# Altium PCB PFC_Interleaved_V8.1.PcbDoc (part 2 of 3) (continued)
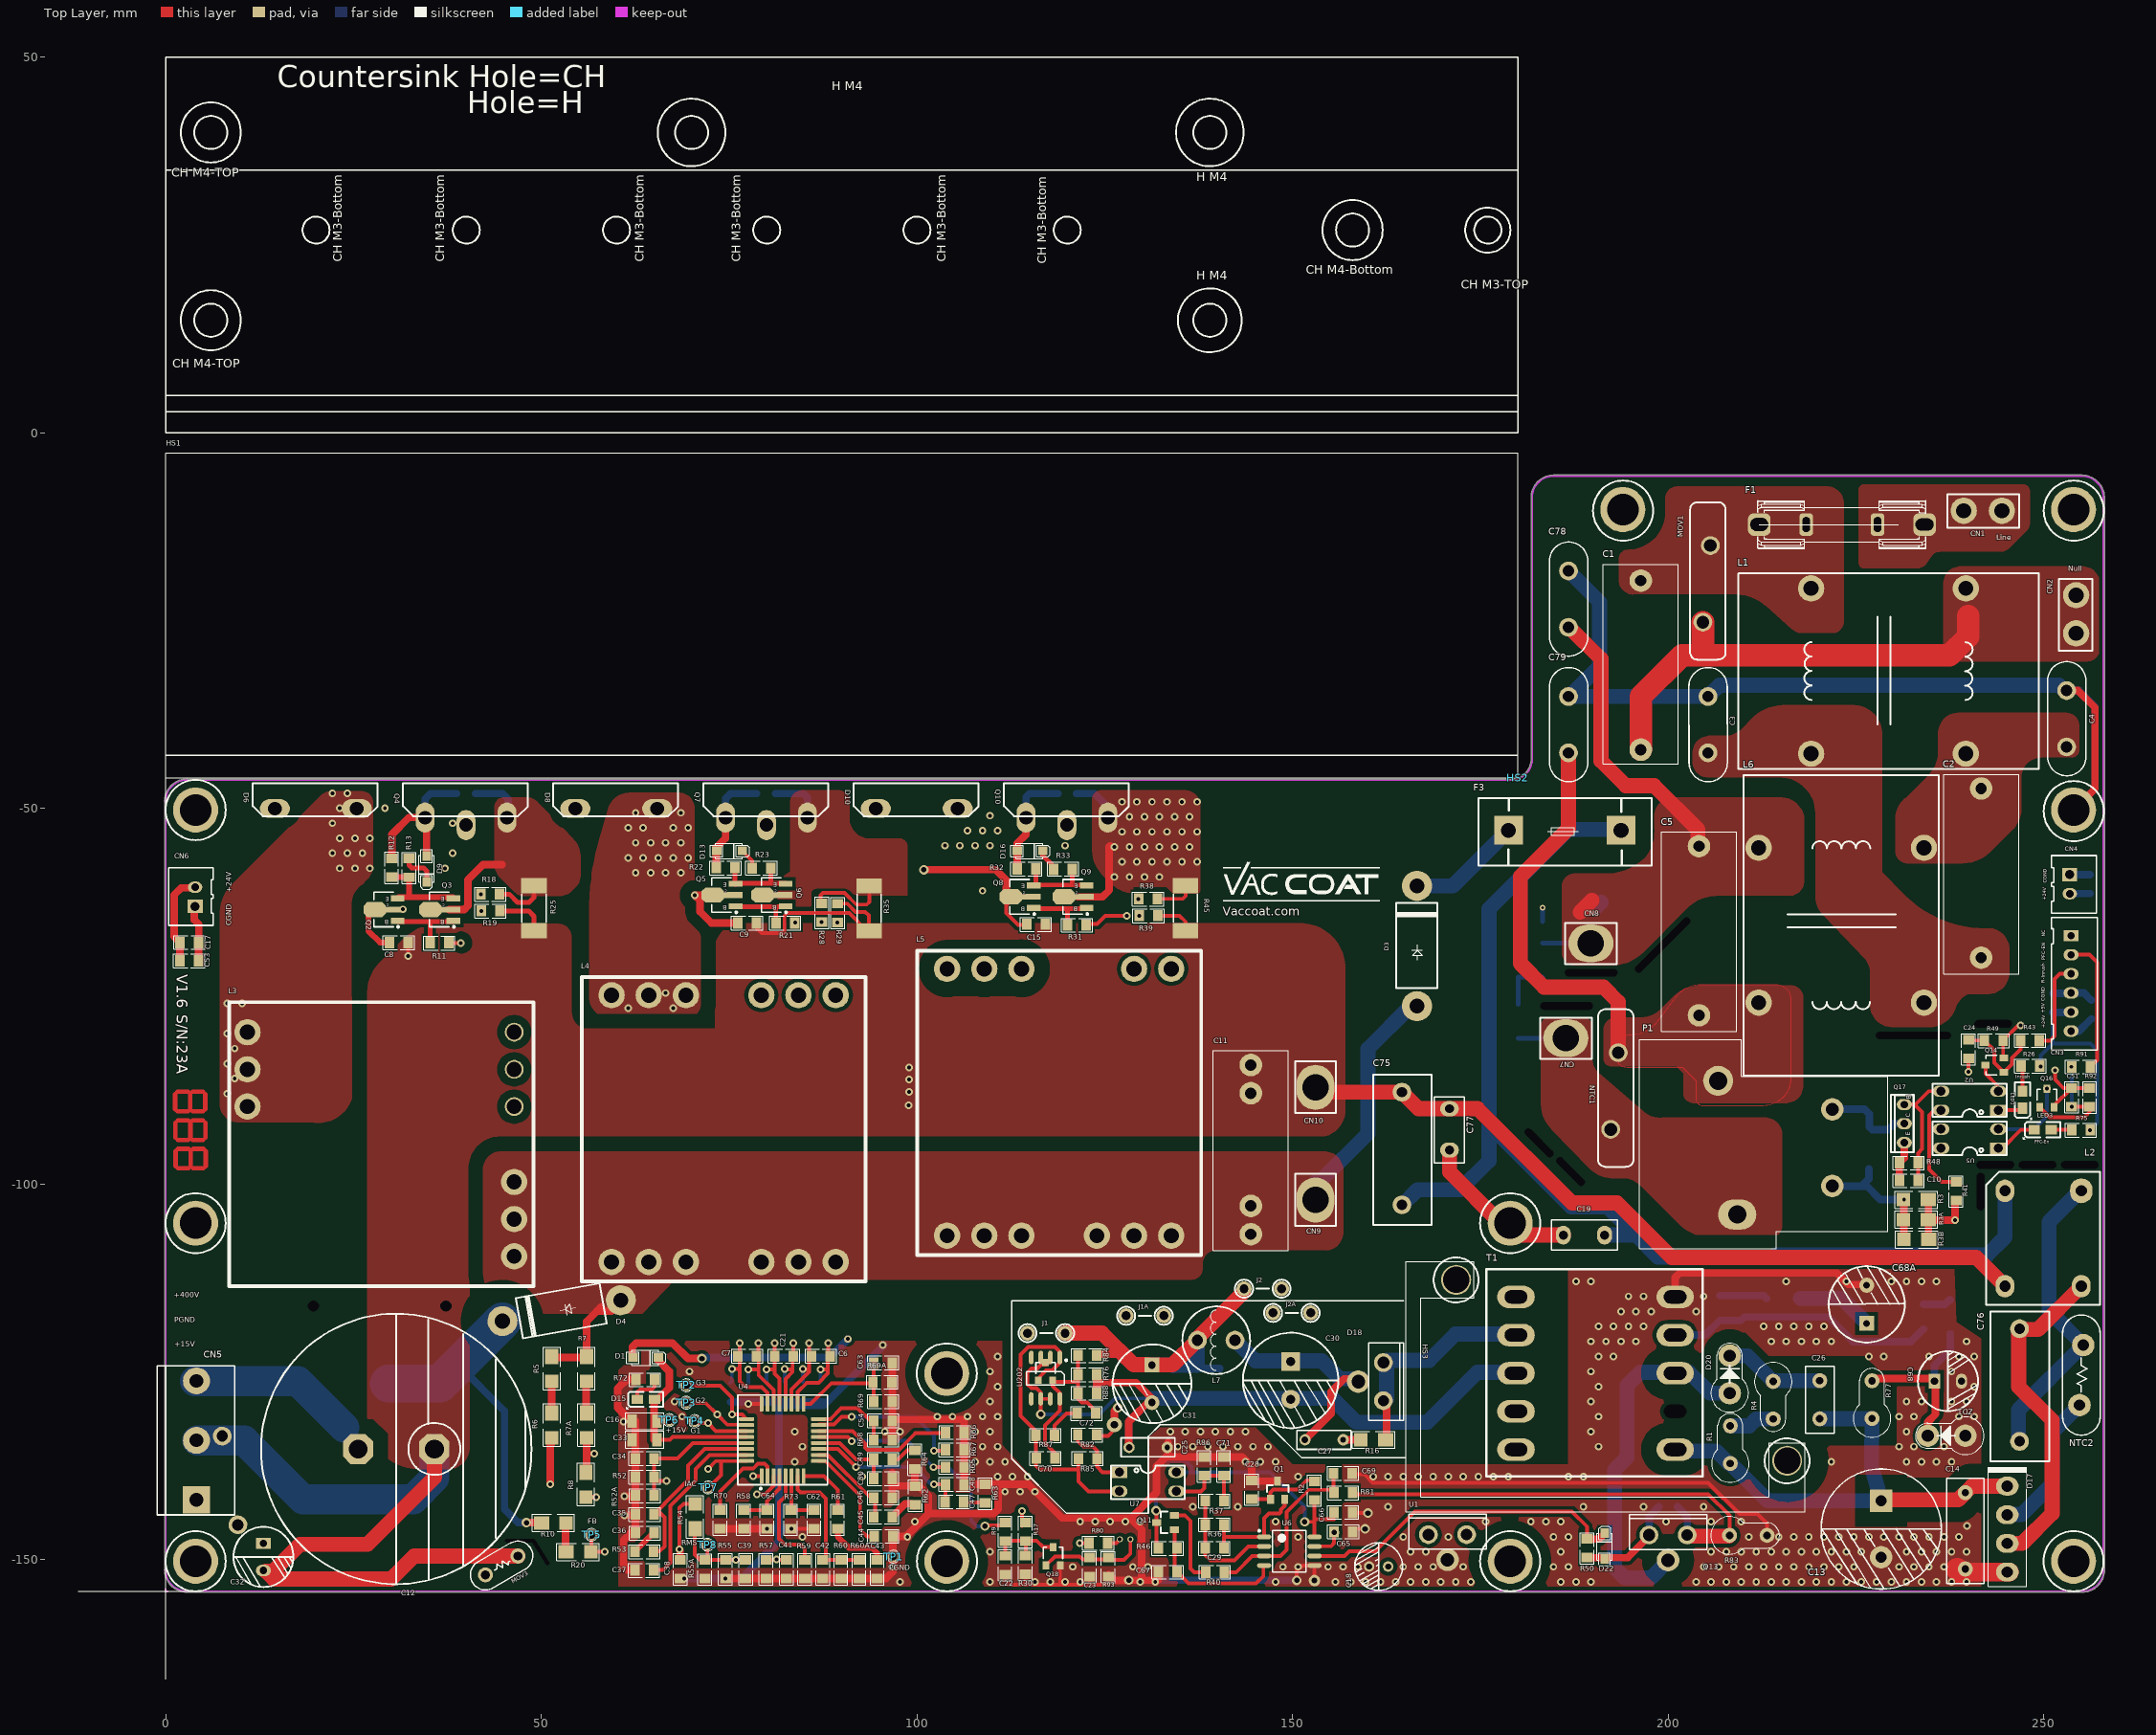
[diagram p0: Top Layer view]
## Nets (pads, with @x,y where several pads share a name; then routed paths per layer and width w, separated by ;. In a path a pad name is that pad's centre, name@x,y a point inside that pad or via, vN(x,y) a via of type N, cw(c..) or ccw(c..) an arc to the next point about the centre after c; other vN are vias at no path point) (continued)
NetD215_1: D215.1 R47A.2 R47B.2 | length 6.3
  Bottom Layer w1: R47B.2@206.908,-114.833 R47A.2@209.702,-114.833 212.71,-114.833 D215.1@213.091,-115.214
NetLED1_1: LED1.1 R26.1 | length 3.4
  Top Layer w0.5: R26.1@246.99,-84.277 247.167,-84.455 LED1.1@247.167,-87.63
NetLED1_2: LED1.2 U2.1 | length 3.3
  Top Layer w0.5: U2.1@243.967,-90.17 246.913,-90.17 LED1.2@247.167,-89.916
NetLED3_1: LED3.1 R75.1 | length 2.7
  Top Layer w0.5: LED3.1@251.028,-92.761 253.695,-92.761 R75.1@253.721,-92.786
NetLED3_2: LED3.2 U5.1 | length 5.8
  Top Layer w0.5: U5.1@243.967,-95.225 244.5,-95.225 246.964,-92.761 LED3.2@248.742,-92.761
NetQ2_1: Q2.1 Q3.1 R12.2 R13.1 | length 12.6
  Top Layer w0.762: R12.2@30.099,-59.131 32.36,-59.131 R13.1@32.385,-59.157 32.385,-61.713 32.283,-61.814 ; Q2.1@30.866,-61.949 31.001,-61.814 32.283,-61.814 ; Q3.1@38.283,-61.949 38.283,-61.814 32.283,-61.814
NetQ2_3: Q2.3 Q3.3 R11.1 | length 10.4
  Top Layer w0.635: Q2.3@30.866,-64.949 30.938,-65.021 35.154,-65.021 ; R11.1@35.179,-67.869 35.179,-65.046 35.154,-65.021 ; Q3.3@38.283,-64.949 38.283,-65.021 35.154,-65.021
NetQ3_2: Q3.2 Q4.3 R14.1 R18.2 R25.2 | length 25.7
  Top Layer w0.635: R18.2@44.45,-61.392 45.72,-61.392 46.838,-62.509 48.362,-62.509 49.022,-61.849 R25.2@49.022,-60.271
  Top Layer w1: Q3.2@37.719,-63.449 39.726,-63.449 40.208,-62.967 40.208,-59.512 42.24,-57.48 44.78,-57.48 44.78,-57.455
  Bottom Layer w1: R14.1@41.224,-48.006 44.831,-48.006 45.593,-48.768 45.593,-51.035 Q4.3@45.425,-51.203
NetQ5_1: Q5.1 Q6.1 R22.2 R23.1 | length 11.1
  Top Layer w0.635: R22.2@75.795,-57.912 R22.2@75.769,-57.887 75.769,-59.989 75.85,-60.07 75.972,-59.947 80.747,-59.947 ; R23.1@80.543,-57.937 80.543,-59.744 80.747,-59.947 ; Q6.1@82.505,-60.019 82.505,-59.947 80.747,-59.947
NetQ5_3: Q5.3 Q6.3 R21.1 | length 9.1
  Top Layer w0.5: Q5.3@75.647,-63.019 Q5.3@75.651,-63.023
  Top Layer w0.6: Q5.3@75.651,-63.023 75.701,-63.073 81.229,-63.073 ; R21.1@81.229,-65.227 81.229,-63.073 ; Q6.3@82.505,-63.019 82.505,-63.073 81.229,-63.073
NetQ6_2: Q6.2 Q7.3 R24.1 R28.2 R35.2 | length 18.4
  Top Layer w0.5: R28.2@87.325,-62.636 87.198,-62.509 87.198,-61.544 87.503,-61.239 90.373,-61.239 91.923,-62.789 93.32,-62.789 93.675,-62.433 93.675,-60.348 R35.2@93.624,-60.297
  Bottom Layer w0.5: Q7.3@85.039,-51.589 Q7.3@85.425,-51.203
  Bottom Layer w1: R24.1@81.153,-48.006 84.887,-48.006 85.425,-48.544 Q7.3@85.425,-51.203
NetQ8_1: Q8.1 Q9.1 R32.2 R33.1 | length 11.5
  Top Layer w0.635: R32.2@115.824,-58.039 115.824,-59.973 115.622,-60.176 120.777,-60.176 ; R33.1@120.701,-57.963 120.701,-60.1 120.777,-60.176 ; Q9.1@122.611,-60.247 122.611,-60.176 120.777,-60.176
NetQ8_3: Q8.3 Q9.3 R31.1 | length 9.4
  Top Layer w0.635: Q8.3@115.55,-63.247 115.621,-63.319 120.015,-63.319 ; R31.1@120.066,-65.507 120.015,-65.456 120.015,-63.319 ; Q9.3@122.611,-63.247 122.611,-63.319 120.015,-63.319
NetQ9_2: Q9.2 Q10.3 R34.1 R38.2 R45.2 | length 22.1
  Top Layer w0.5: R38.2@132.029,-62.027 135.407,-62.027 135.788,-61.646 R45.2@135.788,-60.271
  Top Layer w1: Q9.2@121.412,-61.773 124.689,-61.773 125.603,-60.858 125.603,-55.078 125.733,-54.948
  Bottom Layer w1: R34.1@121.26,-48.006 123.647,-48.006 125.425,-49.783 Q10.3@125.425,-51.203
  other v1: 126.293,-59.099 128.293,-59.099 130.293,-59.099 132.293,-59.099 127.293,-57.099 129.293,-57.099 131.293,-57.099 133.293,-57.099 135.293,-57.099 137.293,-57.099 126.293,-55.099 128.293,-55.099 130.293,-55.099 132.293,-55.099 134.293,-55.099 136.293,-55.099 127.293,-53.099 129.293,-53.099 131.293,-53.099 133.293,-53.099 135.293,-53.099 137.293,-53.099 128.293,-51.099 130.293,-51.099 132.293,-51.099 134.293,-51.099 136.293,-51.099 127.293,-49.099 129.293,-49.099 131.293,-49.099 133.293,-49.099 135.293,-49.099 137.293,-49.099
NetQ11_2: Q11.2 R40.2 | length 11
  Top Layer w0.5: Q11.2@134.296,-144.084 135.677,-144.084 136.423,-144.831 136.423,-151.181 136.906,-151.663 R40.2@138.43,-151.663
NetQ13_3: Q13.3 R79.2 R81.2 R83.1 | length 70.1
  Top Layer w0.5: R81.2@157.988,-141.512 R81.2@158.123,-141.376 ; R81.2@157.988,-141.275 158.09,-141.376 R81.2@158.123,-141.376 ; R83.1@208.178,-146.761 208.178,-144.094 205.359,-141.275 158.225,-141.275 R81.2@158.123,-141.376
  Top Layer w2: Q13.3@202.565,-146.863 208.077,-146.863 R83.1@208.178,-146.761
  Bottom Layer w1: R79.2@201.27,-142.951 202.565,-144.247 Q13.3@202.565,-146.863
  Bottom Layer w2: Q13.3@202.565,-146.863 208.077,-146.863 R83.1@208.178,-146.761
NetQ14_3: Q14.3 U2.2 | length 4.2
  Top Layer w0.5: Q14.3@242.262,-84.176 242.262,-85.29 243.967,-86.995 U2.2@243.967,-87.63
NetQ16_3: Q16.3 U5.2 | length 10.9
  Bottom Layer w0.5: U5.2@243.967,-92.685 248.717,-92.685 250.444,-90.957 v3(250.444,-87.274)
NetR1_2: R1.2 R4.2 | length 6.1
  Bottom Layer w2: R1.2@208.28,-132.185 210.816,-132.185 211.738,-131.263 R4.2@213.995,-131.263
NetR5_1: R5.1 R6.2 | length 4
  Top Layer w1: R6.2@51.384,-130.327 R5.1@51.384,-126.365
NetR7_1: R7.1 R7A.2 | length 4.1
  Top Layer w1: R7A.2@55.956,-130.429 R7.1@55.956,-126.365
NetR7A_1: R7A.1 R8.2 R56.2 | length 178.2
  Top Layer w0.635: 56.007,-135.909 v2(57.055,-135.909)
  Top Layer w1: R8.2@56.007,-138.278 56.007,-135.909 R7A.1@56.007,-133.782
  Signal Layer 1 w0.635: v2(57.055,-135.909) 57.734,-135.23 77.114,-135.23 84.875,-127.469 93.443,-127.469 98.304,-122.608 98.55,-122.608 106.985,-114.173 138.024,-114.173 141.656,-110.541 156.388,-110.541 160.02,-106.909 160.02,-84.785 161.569,-83.236 165.862,-83.236 173.037,-76.061 173.037,-73.47 v7(183.286,-63.221)
  Bottom Layer w0.635: R56.2@183.286,-65.024 v7(183.286,-63.221)
NetR10_1: R10.1 R20.2 | length 3.3
  Top Layer w1: R10.1@53.238,-145.694 53.238,-148.895 R20.2@53.289,-148.946
NetR41_1: R41.1 U2.4 | length 13.4
  Top Layer w0.5: U2.4@236.347,-90.17 235.433,-90.17 234.743,-90.86 234.743,-98.066 236.392,-99.715 R41.1@238.354,-99.715
NetR47_1: R47.1 R47A.1 R47B.1 T1.4 | length 36.1
  Bottom Layer w1: T1.4@200.939,-120.091 204.953,-120.091 R47B.1@206.908,-118.135 R47A.1@209.702,-118.135 210.134,-117.704 221.336,-117.704 224.587,-120.955 232.343,-120.955 R47.1@234.003,-119.295
NetR56_1: R56.1 R56A.2 | length 4.1
  Bottom Layer w1: R56A.2@179.984,-69.143 R56.1@179.984,-65.024
NetR61_1: R61.1 U4.8 | length 8
  Top Layer w0.508: U4.8@84.913,-138.879 87.647,-138.879 89.459,-140.691 R61.1@89.459,-143.408
NetR70_2: R70.2 U4.2 | length 11.8
  Top Layer w0.5: R70.2@73.787,-143.408 73.787,-140.919 76.839,-137.867 78.224,-137.867 78.855,-137.236 79.731,-137.236 80.113,-137.618 U4.2@80.113,-138.879
NetR80_2: R80.2 U5.4 | length 149.5
  Top Layer w0.5: R80.2@125.155,-147.777 126.517,-147.777 v5(127,-147.295)
  Signal Layer 2 w0.5: v5(127,-147.295) 127.94,-146.355 142.164,-146.355 147.808,-140.711 179.663,-140.711 185.592,-134.781 185.592,-119.287 194.98,-109.899 234.373,-109.899 236.296,-107.975 U5.4@236.296,-95.225
NetR82_1: R82.1 R85.1 U7.1 | length 9.3
  Top Layer w0.5: R82.1@121.412,-133.375 121.412,-134.214 122.123,-134.925 123.406,-134.925 123.977,-135.496 R85.1@123.977,-136.55 123.977,-137.617 124.714,-138.354 U7.1@126.937,-138.354
NULL: C5.1 C78.2 CN8.1 D14.1 L6.4 | length 48.4
  Top Layer w2: C78.2@186.842,-25.873 191.059,-30.09 191.059,-43.637 194.386,-46.965 198.145,-46.965 203.97,-52.789 203.97,-54.864 C5.1@204.114,-55.009 ; 188.305,-63.79 189.865,-62.23
  Bottom Layer w0.635: D14.1@183.286,-67.945 CN8.1@189.713,-67.945
  Bottom Layer w2: 190.185,-63.384 191.059,-62.509
OCP: C41.2 R57.1 U4.3 | length 16.4
  Top Layer w0.5: v2(78.695,-141.275) 79.807,-141.275 80.913,-140.169 U4.3@80.913,-138.879 ; R57.1@79.959,-150.012 C41.2@82.626,-150.012
  Signal Layer 1 w0.5: v2(78.695,-141.275) 78.695,-146.437 81.305,-149.047 v2(81.305,-149.936)
OCP2: C42.2 R60.1 R60A.1 U4.7 | length 19.2
  Top Layer w0.508: U4.7@84.113,-138.879 84.113,-140.679 84.48,-141.046 87.071,-141.046 87.884,-141.859 87.884,-149.835 C42.2@88.062,-150.012 ; C42.2@87.452,-150.012 C42.2@88.062,-150.012 ; R60A.1@92.329,-150.012 R60.1@89.916,-150.012 C42.2@88.062,-150.012
OPFC1: R11.2 TP4.1 U4.27 | length 88.7
  Top Layer w0.5: R11.2@37.719,-67.92 v2(39.294,-67.92) ; TP4.1@70.711,-131.826 v2(72.212,-131.826) 73.25,-132.864 U4.27@77.298,-132.864
  Signal Layer 1 w0.5: v2(39.294,-67.92) 41.606,-67.92 73.643,-99.957 73.643,-122.634 72.242,-124.035 v2@72.242,-131.826
OPFC2: R21.2 TP3.1 U4.26 | length 97.4
  Top Layer w0.5: TP3.1@69.367,-129.337 69.545,-129.159 71.907,-129.159 v2(73.431,-130.683) 74.778,-132.029 U4.26@77.263,-132.029
  Signal Layer 1 w0.5: v2@73.431,-130.556 73.596,-130.392 73.596,-123.747 74.838,-122.504 78.918,-122.504 79.252,-122.17 79.337,-122.17 80.07,-121.437 80.07,-119.809 80.086,-119.793 80.086,-118.974 82.119,-116.942 91.008,-116.942 92.692,-115.258 92.692,-68.263 91.535,-67.107 85.42,-67.107 85.471,-67.056 83.82,-65.405 v2(83.82,-65.202)
OPFC3: R31.2 TP2.1 U4.25 | length 126.1
  Top Layer w0.5: TP2.1@70.002,-126.848 73.812,-126.848 75.413,-128.448 v2(75.413,-130.683) 76.717,-130.683 U4.25@77.298,-131.264 ; R31.2@122.555,-65.507 122.707,-65.354 124.003,-65.354 125.095,-64.262 v2(127.914,-64.262)
  Signal Layer 1 w0.5: v2(75.413,-130.683) 74.35,-129.62 74.35,-124.193 75.285,-123.258 79.23,-123.258 79.234,-123.262 92.054,-123.262 97.866,-117.45 97.866,-83.922 99.619,-82.169 118.313,-82.169 125.247,-75.235 125.247,-66.929 v2(127.914,-64.262)
PFC-EN: CN3.2 R91.1 | length 18.2
  Top Layer w0.5: CN3.2@253.644,-69.469 256.108,-69.469 257.101,-70.462 257.101,-83.513 R91.1@256.21,-84.404
PFCFB: C34.1 R20.1 R52.2 R52A.2 TP5.1 U4.29 | length 37.9
  Top Layer w0.508: TP5.1@56.667,-146.685 56.686,-146.685 56.686,-148.946 v2(58.445,-148.946) ; R52A.2@65.024,-141.467 64.999,-141.441 R52.2@64.999,-139.593 ; v2(66.675,-139.497) 65.157,-139.497 65.03,-139.624 R52.2@64.999,-139.593 ; U4.29@77.298,-134.464 77.26,-134.502 70.146,-134.502 68.148,-136.5 64.999,-136.5 R52.2@64.999,-138.987 R52.2@64.999,-139.593
  Signal Layer 1 w0.508: v2(58.445,-148.946) 60.339,-148.946 66.675,-142.61 v2(66.675,-139.497)
PGND: C8.2 C9.2 C10.1 C11.1 C12.2 C13.2 C14.1 C15.2 C16.1 C18.2 C22.2 C23.2 C25.2 C28.1 C32.2 C33.1 C34.2 C35.1 C36.1 C37.1 C38.1 C39.1 C41.1 C42.1 C43.1 C44.1 C46.1 C48.1 C50.1 C54.1 C55.2 C56.2 C57.2 C58.2 C59.2 C60.2 C62.1 C63.1 C64.1 C65.1 C66.1 C67.1 C68.2 C68A.2 C69.1 C71.1 C75.1 C77.1 CN5.3 CN10.1 D5.1 D17.4 L2.3 MOV3.2 pad.0@152.931,-152.778 Q1.3 Q17.1 Q18.2 R19.2 R25.1 R29.2 R30.2 R35.1 R39.2 R45.1 R48.1 R52.1 R52A.1 R55.2 R55A.2 R57.2 R58.2 R59.2 R60.2 R60A.2 R62.1 R63.1 R64.1 R65.1 R66.1 R67.1 R68.1 R69.1 R69A.1 R70.1 R72.1 R73.2 R83.2 R86.1 R89.1 R93.2 T1.5 TP1.1 U1.2 U4.24 U6.5 ZD1.1 | length 730.8
  Top Layer w0.5: v2(32.258,-69.647) C8.2@32.258,-67.843 ; v2(77.583,-129.249) U4.24@79.313,-129.249 ; C9.2@78.638,-65.227 78.638,-65.888 79.324,-66.573 82.245,-66.573 82.368,-66.45 82.368,-64.251 82.696,-63.923 90.999,-63.923 93.373,-66.297 R35.1@93.624,-66.297 ; v2(83.261,-145.898) C62.1@86.284,-145.898 ; R29.2@89.383,-62.662 R29.2@89.408,-62.687 ; R29.2@89.433,-62.662 90.729,-62.662 91.821,-63.754 93.116,-63.754 93.599,-64.237 R35.1@93.599,-66.271 ; R66.1@106.274,-132.537 R66.1@106.289,-132.552 ; C22.2@111.76,-151.724 C22.2@111.76,-151.968 111.76,-152.73 112.356,-153.326 114.427,-153.326 ; R30.2@114.452,-151.79 R30.2@114.452,-151.917 114.452,-153.301 114.427,-153.326 ; Q18.2@119.06,-150.759 119.06,-153.265 118.999,-153.326 ; C23.2@123.012,-151.978 C23.2@123.012,-152.222 123.012,-153.326 ; R93.2@125.501,-151.978 R93.2@125.501,-152.222 125.501,-152.832 125.007,-153.326 123.012,-153.326 ; R39.2@132.08,-64.262 134.971,-64.262 135.788,-65.08 R45.1@135.788,-66.271 ; v4(150.571,-152.756) 150.571,-151.511 151.308,-150.774 U6.5@152.931,-150.774 pad.0@152.931,-152.778 ; C65.1@157.937,-146.202 158.242,-145.898 v4(159.664,-145.898) ; C66.1@157.988,-143.789 v4(160.045,-143.789) ; C69.1@158.31,-138.286 157.963,-138.633 159.563,-138.633 160.68,-139.751 205.359,-139.751 209.524,-143.916 211.912,-143.916 213.178,-145.183 R83.2@213.178,-146.761 ; 114.427,-153.326 118.999,-153.326 ; 118.999,-153.326 123.012,-153.326
  Top Layer w0.635: R19.2@44.475,-63.627 48.311,-63.627 49.022,-64.338 R25.1@49.022,-66.271
  Top Layer w1: v2(61.036,-144.069) 62.387,-144.069 C35.1@62.509,-143.946 ; v2(61.036,-141.529) 62.473,-141.529 R52A.1@62.509,-141.492 ; C37.1@62.433,-151.384 61.519,-151.384 60.96,-150.825 60.96,-147.371 61.905,-146.425 C36.1@62.535,-146.425 62.509,-146.4 C35.1@62.509,-143.946 ; R52A.1@62.535,-141.467 R52A.1@62.509,-141.492 ; C16.1@62.535,-131.575 C16.1@62.509,-131.549 ; R72.1@62.56,-126.009 61.366,-126.009 60.173,-127.203 60.173,-129.769 61.953,-131.549 C16.1@62.509,-131.549 ; R70.1@73.787,-145.898 R58.2@76.962,-145.898 v2(80.035,-145.898) ; v2(74.524,-152.502) C39.1@77.191,-152.502 R57.2@79.959,-152.502 C41.1@82.626,-152.502 R59.2@85.09,-152.502 C42.1@87.452,-152.502 R60.2@89.916,-152.502 R60A.2@92.329,-152.502 C43.1@94.691,-152.502 95.885,-152.502 96.774,-151.613 C44.1@96.774,-146.888 98.552,-146.888 101.524,-143.916 101.524,-141.478 100.254,-140.208 R62.1@99.797,-140.208 ; C46.1@96.749,-141.331 96.749,-140.183 99.72,-140.183 R64.1@99.72,-137.922 ; C50.1@96.749,-139.776 C50.1@96.749,-139.2 96.749,-138.414 ; R68.1@96.749,-134.075 C54.1@96.749,-131.513 C54.1@96.749,-131.318 ; C63.1@96.749,-123.825 R69.1@96.749,-128.95 C54.1@96.749,-131.318 ; 101.643,-143.848 110.253,-143.848 110.82,-143.281 110.82,-140.767 110.033,-139.979 ; R66.1@106.274,-132.537 106.274,-131.521 106.07,-131.318 C54.1@96.749,-131.318 ; R66.1@106.289,-132.552 106.289,-139.979 110.033,-139.979 ; R93.2@125.501,-151.978 126.279,-152.756 v4@128.156,-152.756 ; v4(128.219,-152.73) v1@129.921,-152.73 ; 128.397,-144.45 125.733,-144.45 119.329,-144.45 114.859,-139.979 110.033,-139.979 ; C67.1@132.131,-151.613 132.131,-152.73 v1@129.921,-152.73 ; C25.2@133.401,-134.391 133.401,-136.322 ; R86.1@137.922,-136.322 133.401,-136.322 ; R86.1@138.379,-136.322 C71.1@140.868,-136.322 143.281,-136.322 144.577,-137.617 C28.1@144.577,-139.421 ; C28.1@144.577,-139.541 Q1.3@148.031,-139.541 ; T1.5@200.05,-114.884 200.939,-113.995 200.939,-112.446 201.549,-111.836 222.479,-111.836 224.003,-113.36 C68A.2@226.695,-113.36 ; C10.1@230.784,-99.517 R48.1@230.784,-97.155 231.445,-96.495 Q17.1@231.445,-94.488 ; C35.1@62.509,-143.946 R52A.1@62.509,-141.492 ; R52A.1@62.509,-141.492 R52.1@62.509,-138.987 C34.2@62.509,-136.559 C16.1@62.509,-131.549 ; v1@129.921,-152.73 129.921,-145.974 128.448,-144.501 131.896,-141.052 131.896,-137.566 133.141,-136.322 133.401,-136.322
  Top Layer w2: C12.2@35.763,-135.255 35.763,-139.045 26.863,-147.945 17.876,-147.945 14.263,-151.558 13.36,-151.558 14.378,-152.576 29.997,-152.576 33.064,-149.509 MOV3.2@46.894,-149.509 ; CN10.1@153.06,-87.122 153.695,-87.757 C75.1@164.567,-87.757 166.77,-89.96 C77.1@170.891,-89.96 174.644,-89.96 187.198,-102.514 193.218,-102.514 200.463,-109.76 241.022,-109.76 L2.3@244.85,-113.588
  Top Layer w2.5: C14.1@239.8,-151.638 D17.4@245.161,-151.638 D17.4@245.44,-151.638
  Top Layer w3: 238.481,-151.257 C14.1@238.862,-151.638
  Signal Layer 1 w1: v2(95.479,-121.437) 95.479,-121.412 98.933,-117.958 v2(98.933,-87.732) v2(98.933,-86.055) v2(98.933,-84.455) ; Q17.1@231.445,-94.488 230.124,-94.488 229.083,-95.529 229.083,-105.054 231.733,-107.704 v1(231.733,-112.948)
  Bottom Layer w1: v2(69.037,-152.502) v2(74.524,-152.502) 76.657,-152.502 81.636,-147.523 81.636,-145.898 ; C55.2@75.184,-129.007 C56.2@77.638,-129.007 C57.2@80.091,-129.007 C58.2@82.545,-129.007 C59.2@84.999,-129.007 C60.2@87.452,-129.007 ; v2(80.035,-145.898) 81.636,-145.898 ; v2(83.261,-145.898) 81.636,-145.898 ; v2(95.479,-121.437) 95.58,-121.437 87.579,-129.438 82.545,-129.438 81.636,-129.438 81.636,-145.898 ; v4(128.219,-152.73) 131.733,-152.73 147.733,-152.73 150.698,-152.73 150.673,-152.756 v4(150.571,-152.756)
  Bottom Layer w4: CN5.3@4.182,-134.153 10.455,-134.153 18.263,-141.961 32.918,-141.961 35.763,-139.116 C12.2@35.763,-135.255
  other v1: 97.733,-152.948 109.733,-152.948 115.733,-152.948 117.733,-152.948 119.733,-152.948 121.733,-152.948 129.733,-152.948 131.733,-152.948 147.733,-152.948 155.733,-152.948 157.733,-152.948 159.733,-152.948 161.733,-152.948 163.733,-152.948 165.733,-152.948 167.733,-152.948 169.733,-152.948 171.733,-152.948 173.733,-152.948 185.733,-152.948 187.733,-152.948 189.733,-152.948 203.733,-152.948 205.733,-152.948 207.733,-152.948 209.733,-152.948 211.733,-152.948 213.733,-152.948 215.733,-152.948 217.733,-152.948 219.733,-152.948 221.733,-152.948 223.733,-152.948 225.733,-152.948 227.733,-152.948 229.733,-152.948 231.733,-152.948 233.733,-152.948 235.733,-152.948 237.733,-152.948 239.733,-152.948 96.733,-150.948 120.733,-150.948 128.733,-150.948 130.733,-150.948 148.733,-150.948 150.733,-150.948 154.733,-150.948 156.733,-150.948 158.733,-150.948 164.733,-150.948 166.733,-150.948 168.733,-150.948 172.733,-150.948 184.733,-150.948 186.733,-150.948 204.733,-150.948 206.733,-150.948 208.733,-150.948 210.733,-150.948 212.733,-150.948 214.733,-150.948 216.733,-150.948 218.733,-150.948 220.733,-150.948 222.733,-150.948 224.733,-150.948 230.733,-150.948 232.733,-150.948 234.733,-150.948 236.733,-150.948 109.733,-148.948 165.733,-148.948 167.733,-148.948 185.733,-148.948 205.733,-148.948 207.733,-148.948 209.733,-148.948 211.733,-148.948 213.733,-148.948 215.733,-148.948 217.733,-148.948 219.733,-148.948 221.733,-148.948 223.733,-148.948 225.733,-148.948 231.733,-148.948 233.733,-148.948 235.733,-148.948 237.733,-148.948 239.733,-148.948 84.733,-146.948 98.733,-146.948 150.733,-146.948 164.733,-146.948 170.733,-146.948 184.733,-146.948 186.733,-146.948 210.733,-146.948 214.733,-146.948 216.733,-146.948 218.733,-146.948 220.733,-146.948 222.733,-146.948 224.733,-146.948 226.733,-146.948 228.733,-146.948 230.733,-146.948 232.733,-146.948 234.733,-146.948 236.733,-146.948 238.733,-146.948 239.798,-145.513 99.733,-144.948 121.733,-144.948 123.733,-144.948 125.733,-144.948 127.733,-144.948 129.733,-144.948 147.733,-144.948 175.733,-144.948 181.733,-144.948 183.733,-144.948 185.733,-144.948 199.733,-144.948 205.733,-144.948 209.733,-144.948 136.733,-142.948 142.733,-142.948 162.733,-142.948 188.733,-142.948 196.733,-142.948 204.733,-142.948 111.733,-140.948 113.733,-140.948 115.733,-140.948 92.733,-138.948 110.733,-138.948 112.733,-138.948 114.733,-138.948 150.733,-138.948 160.733,-138.948 162.733,-138.948 164.733,-138.948 166.733,-138.948 168.733,-138.948 170.733,-138.948 172.733,-138.948 174.733,-138.948 176.733,-138.948 178.733,-138.948 186.733,-138.948 188.733,-138.948 83.733,-136.948 107.733,-136.948 109.733,-136.948 111.733,-136.948 143.733,-136.948 145.733,-136.948 147.733,-136.948 221.733,-136.948 231.733,-136.948 233.733,-136.948 235.733,-136.948 237.733,-136.948 84.733,-134.948 108.733,-134.948 110.733,-134.948 134.733,-134.948 136.733,-134.948 138.733,-134.948 140.733,-134.948 142.733,-134.948 144.733,-134.948 146.733,-134.948 190.733,-134.948 230.733,-134.948 232.733,-134.948 236.733,-134.948 83.733,-132.948 95.733,-132.948 97.733,-132.948 107.733,-132.948 109.733,-132.948 133.733,-132.948 135.733,-132.948 137.733,-132.948 139.733,-132.948 141.733,-132.948 143.733,-132.948 189.733,-132.948 231.733,-132.948 68.733,-130.948 102.733,-130.948 104.733,-130.948 106.733,-130.948 108.733,-130.948 110.733,-130.948 190.733,-130.948 230.733,-130.948 232.733,-130.948 238.733,-130.948 240.733,-130.948 67.733,-128.948 109.733,-128.948 189.733,-128.948 231.733,-128.948 233.733,-128.948 237.733,-128.948 239.733,-128.948 110.733,-126.948 190.733,-126.948 240.733,-126.948 69.733,-124.948 109.733,-124.948 189.733,-124.948 237.733,-124.948 110.733,-122.948 190.733,-122.948 192.733,-122.948 226.733,-122.948 228.733,-122.948 234.733,-122.948 238.733,-122.948 240.733,-122.948 189.733,-120.948 191.733,-120.948 193.733,-120.948 195.733,-120.948 213.733,-120.948 215.733,-120.948 217.733,-120.948 219.733,-120.948 221.733,-120.948 239.733,-120.948 190.733,-118.948 192.733,-118.948 194.733,-118.948 196.733,-118.948 212.733,-118.958 214.733,-118.958 216.733,-118.958 218.733,-118.958 220.733,-118.958 193.733,-116.948 195.733,-116.948 197.733,-116.948 203.733,-116.948 194.733,-114.948 196.733,-114.948 204.733,-114.948 187.733,-112.948 189.733,-112.948 215.733,-112.948 223.733,-112.948 229.733,-112.948 233.733,-112.948 235.733,-112.948
  other v2: 60.96,-131.597 98.908,-89.535
RELAY-INRUSH: CN3.3 R43.1 | length 12.3
  Top Layer w0.5: R43.1@249.428,-80.899 250.85,-80.899 251.46,-80.289 251.46,-72.695 252.146,-72.009 CN3.3@253.644,-72.009
RMS: C39.2 R54.2 R55.1 R55A.1 TP8.1 U4.1 | length 26
  Top Layer w0.5: R54.2@70.993,-145.847 70.434,-146.406 70.434,-149.313 71.133,-150.012 R55A.1@71.755,-150.012 ; TP8.1@71.628,-148.285 72.111,-148.768 72.111,-149.657 R55A.1@71.755,-150.012 ; C39.2@77.191,-150.012 R55.1@74.524,-150.012 R55A.1@71.755,-150.012 ; v2(78.215,-138.879) U4.1@79.313,-138.879
  Signal Layer 1 w0.5: v2(75.895,-150.012) 75.895,-141.199 v2(78.215,-138.879)
VCC: C65.2 C68.1 D21.2 R77.2 U6.7 ZD1.2 | length 143.1
  Top Layer w0.5: U6.7@152.931,-148.234 152.956,-148.209 155.118,-148.209 155.524,-147.803 C65.2@155.524,-146.38
  Top Layer w1: R77.2@226.822,-125.861 C68.1@235.084,-125.861 ; ZD1.2@234.573,-133.502 234.573,-131.67 235.61,-130.632 235.61,-126.387 C68.1@235.461,-126.238 C68.1@235.458,-126.235
  Signal Layer 1 w1: v4(155.575,-146.38) 155.575,-146.609 156.558,-147.591 160.545,-147.591 161.358,-146.778 161.358,-146.718 167.21,-140.867 179.664,-140.867 185.723,-134.808 185.723,-118.975 194.322,-110.376 208.945,-110.376 212.817,-114.248 221.3,-114.248 222.747,-115.694 231.252,-115.694 231.986,-116.429 231.986,-122.976 235.249,-126.238 C68.1@235.461,-126.238
  Bottom Layer w1: C68.1@235.461,-126.238 235.461,-124.126 237.566,-122.022 D21.2@237.566,-119.928
VEA: C35.2 R53.2 U4.30 | length 24
  Top Layer w0.508: R53.2@64.973,-148.905 65.725,-148.905 66.421,-148.209 66.421,-144.331 65.54,-143.451 66.421,-142.57 66.421,-142.509 69.52,-139.41 69.52,-137.49 71.746,-135.264 U4.30@77.298,-135.264 ; C35.2@64.999,-143.946 65.866,-143.946
VFB: C71.2 R37.2 R86.2 U7.3 | length 11.3
  Top Layer w0.5: U7.3@134.557,-140.894 137.82,-140.894 138.252,-140.462 R86.2@138.252,-138.811 ; R86.2@138.379,-138.811 140.691,-138.811 140.856,-138.976 R37.2@140.856,-142.164
VIR: C54.2 R68.2 U4.16 | length 11.2
  Top Layer w0.508: U4.16@86.928,-131.264 88.497,-131.264 89.941,-129.819 92.1,-129.819 93.794,-131.513 C54.2@94.259,-131.513 R68.2@94.259,-134.075
VLPK: C43.2 R61.2 | length 8.1
  Top Layer w0.762: R61.2@89.459,-145.898 89.459,-146.914 90.957,-148.412 94.005,-148.412 94.691,-149.098 C43.2@94.691,-150.012
VR1: R59.1 U4.5 | length 14.3
  Top Layer w0.508: U4.5@82.513,-138.879 82.513,-141.541 81.661,-142.392 81.661,-147.244 82.398,-147.98 84.506,-147.98 85.09,-148.565 85.09,-149.708 R59.1@85.395,-150.012
VREF: C66.2 Q11.3 R2.2 R46.1 U6.8 U7.4 | length 46.7
  Top Layer w0.5: v4(131.851,-143.485) 131.896,-143.529 Q11.3@131.896,-145.034 131.896,-148.228 R46.1@132.131,-148.463 ; v4(151.613,-144.958) 152.931,-144.958 ; U6.8@152.931,-146.964 152.931,-144.958 ; R2.2@152.931,-142.037 152.931,-144.475 ; 155.499,-144.594 153.049,-144.594 152.931,-144.475 ; 152.931,-144.958 152.931,-144.475
  Bottom Layer w0.5: v4(131.851,-143.485) 131.851,-137.82 132.842,-136.83 135.712,-136.83 136.55,-137.668 136.55,-138.354 ; U7.4@134.557,-138.354 136.55,-138.354 ; v4(151.613,-144.958) 151.613,-142.977 146.99,-138.354 136.55,-138.354
pads on no net: CN3.1 HS3.1 HS3.4 L3. L4. L5. T1.2 T1.6 T1.9 T1.10 U202.4 U202.5
copper on no net: | length 34.8
  Top Layer w0.6: 1.258,-90.011 1.258,-88.011 ; 1.283,-93.821 1.283,-91.821 ; 1.318,-97.601 1.318,-95.601 ; 1.558,-90.311 2.958,-90.311 ; 1.558,-87.711 2.958,-87.711 ; 1.583,-94.121 2.983,-94.121 ; 1.583,-91.521 2.983,-91.521 ; 1.618,-97.901 3.018,-97.901 ; 1.618,-95.301 3.018,-95.301 ; 3.258,-90.011 3.258,-88.011 ; 3.283,-93.821 3.283,-91.821 ; 3.318,-97.601 3.318,-95.601 ; 3.558,-90.311 4.958,-90.311 ; 3.558,-87.711 4.958,-87.711 ; 3.583,-94.121 4.983,-94.121 ; 3.583,-91.521 4.983,-91.521 ; 3.618,-97.901 5.018,-97.901 ; 3.618,-95.301 5.018,-95.301 ; 5.258,-90.011 5.258,-88.011 ; 5.283,-93.821 5.283,-91.821 ; 5.318,-97.601 5.318,-95.601

## Polygon pours and split planes (outlines as drawn)
LINE1 on Top Layer "Hi" (solid, remove dead copper, pour order 145): 215.169,-105.628 215.17,-93.403 ccw(c212.928,-93.403) 212.928,-91.161 199.244,-91.161 cw(c199.007,-87.551) 196.608,-90.259 190.705,-85.165 cw(c192.454,-83.323) 189.915,-83.389 189.915,-79.02 ccw(c188.722,-79.02) 188.722,-77.826 184.175,-77.826 ccw(c184.175,-78.943) 183.057,-78.944 183.057,-89.109 ccw(c188.362,-89.109) 184.562,-92.81 189.539,-97.919 ccw(c192.605,-94.933) 192.605,-99.213 193.917,-99.213 cw(c193.917,-102.674) 196.365,-100.227 201.46,-105.322 ccw(c205.645,-101.137) 205.645,-107.056 213.681,-107.056 ccw(c213.74,-105.628)
NetC2_1 on Top Layer "PGND" (solid, remove dead copper, pour order 142): 254.736,-42.229 254.736,-39.091 ccw(c252.882,-39.091) 252.882,-37.237 238.709,-37.237 ccw(c238.709,-39.98) 235.966,-39.98 235.966,-42.471 cw(c231.674,-42.471) 234.649,-45.564 231.66,-48.552 ccw(c234.012,-51.481) 230.271,-51.147 230.271,-55.672 ccw(c231.927,-55.672) 231.927,-57.328 239.004,-57.328 ccw(c239.005,-51.674) 243.003,-55.672 245.831,-52.843 ccw(c242.913,-49.925) 247.04,-49.925 247.04,-45.822 cw(c249.631,-45.822) 249.631,-43.231 253.734,-43.231 ccw(c253.734,-42.229)
NULL on Top Layer "Hi" (solid, remove dead copper, pour order 71): 212.616,-89.586 204.622,-89.586 cw(c204.622,-88.755) 203.791,-88.755 203.791,-86.266 202.006,-84.48 194.513,-84.48 cw(c194.513,-83.079) 193.112,-83.079 193.112,-81.792 cw(c194.767,-81.792) 194.767,-80.137 ccw(c194.767,-75.106) 198.809,-78.102 201.074,-75.046 cw(c204.281,-77.423) 204.281,-73.431 214.376,-73.431 cw(c214.376,-75.401) 216.345,-75.401 216.345,-85.857 cw(c212.617,-85.857)
PGND on Top Layer "Hi" (solid, remove dead copper, pour order 122): 238.1,-111.354 238.379,-118.313 241.656,-120.541 241.656,-153.81 60.29,-153.81 60.29,-124.759 64.171,-120.879 111.354,-120.879 111.354,-134.694 119.748,-143.942 130.988,-143.942 130.988,-133.604 132.388,-132.41 145.085,-132.41 150.012,-137.338 186.715,-137.338 186.715,-111.354
NetC2_2 on Top Layer "PGND" (solid, remove dead copper, pour order 131): 215.46,-36.221 224.612,-36.22 cw(c224.612,-40.081) 228.473,-40.081 228.473,-58.471 231.318,-61.316 ccw(c242.259,-50.74) 243.002,-65.938 cw(c242.578,-68.746) 245.415,-68.879 245.415,-71.851 cw(c242.581,-71.851) 242.58,-74.686 239.963,-74.686 ccw(c241.266,-77.562) 238.31,-76.452 cw(c234.746,-75.383) 234.994,-79.096 229.845,-79.096 cw(c229.844,-76.143) 226.892,-76.143 226.892,-71.781 ccw(c224.202,-71.78) 226.138,-69.912 220.752,-64.326 cw(c223.69,-61.493) 219.608,-61.493 219.608,-50.571 ccw(c214.91,-50.571) 214.909,-45.872 205.344,-45.872 cw(c205.344,-43.804) 203.276,-43.804 203.276,-42.621 cw(c205.588,-42.621) 205.588,-40.31 207.605,-40.31 ccw(c207.605,-37.21) 209.798,-39.402 211.224,-37.975 cw(c215.46,-42.21)